# Altium PCB sim800.PcbDoc
Units mm, origin at the board's own origin, x right, y up, seen from the top; angles counter-clockwise.
Board outline 40 x 35.56 mm, 2 copper layers (Top Layer, Bottom Layer), stack 1.569 mm thick; 28 components, 28 nets, 144 pads, 102 vias.
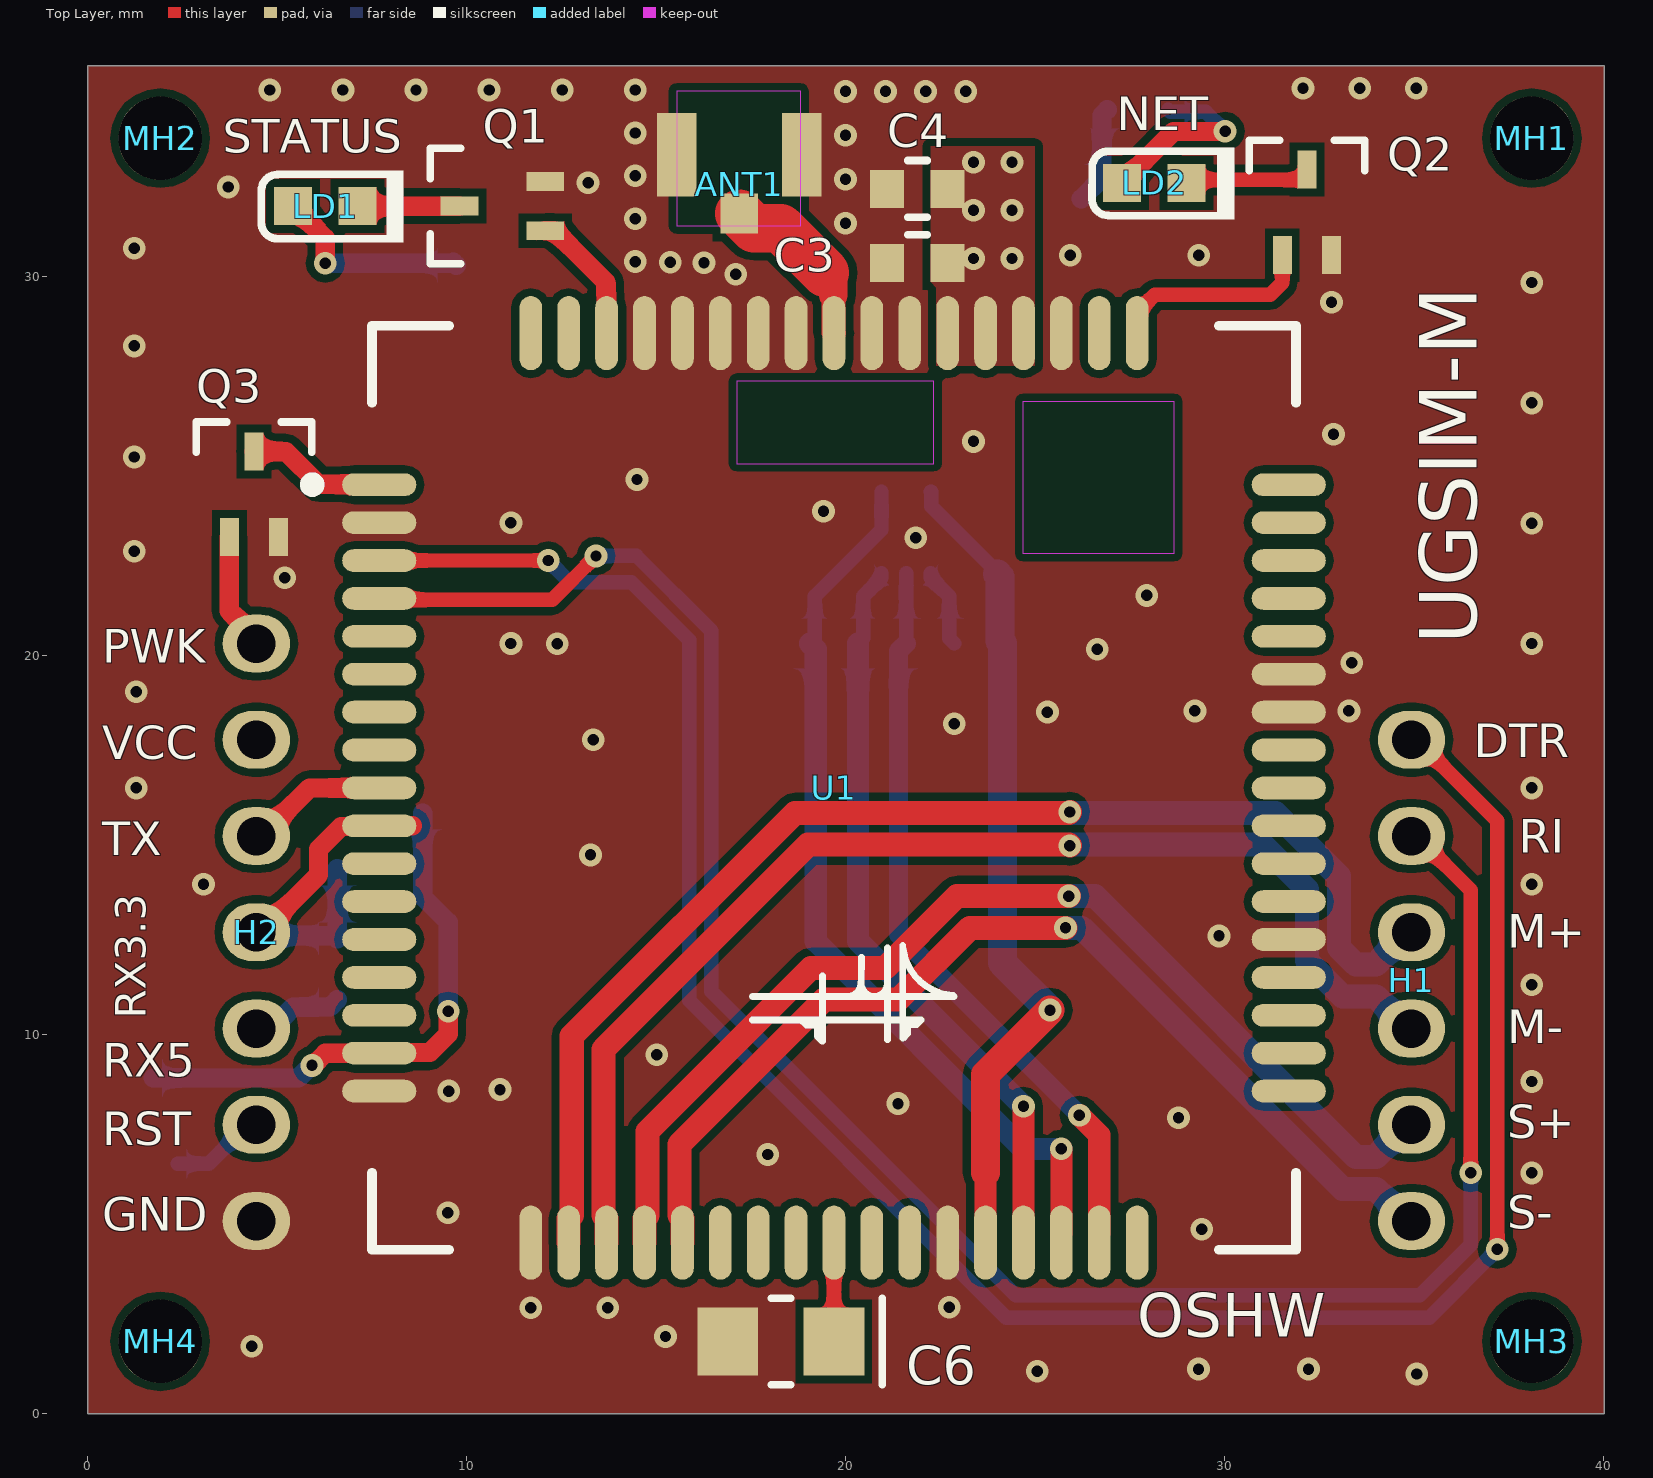
[diagram p0: Top Layer view]
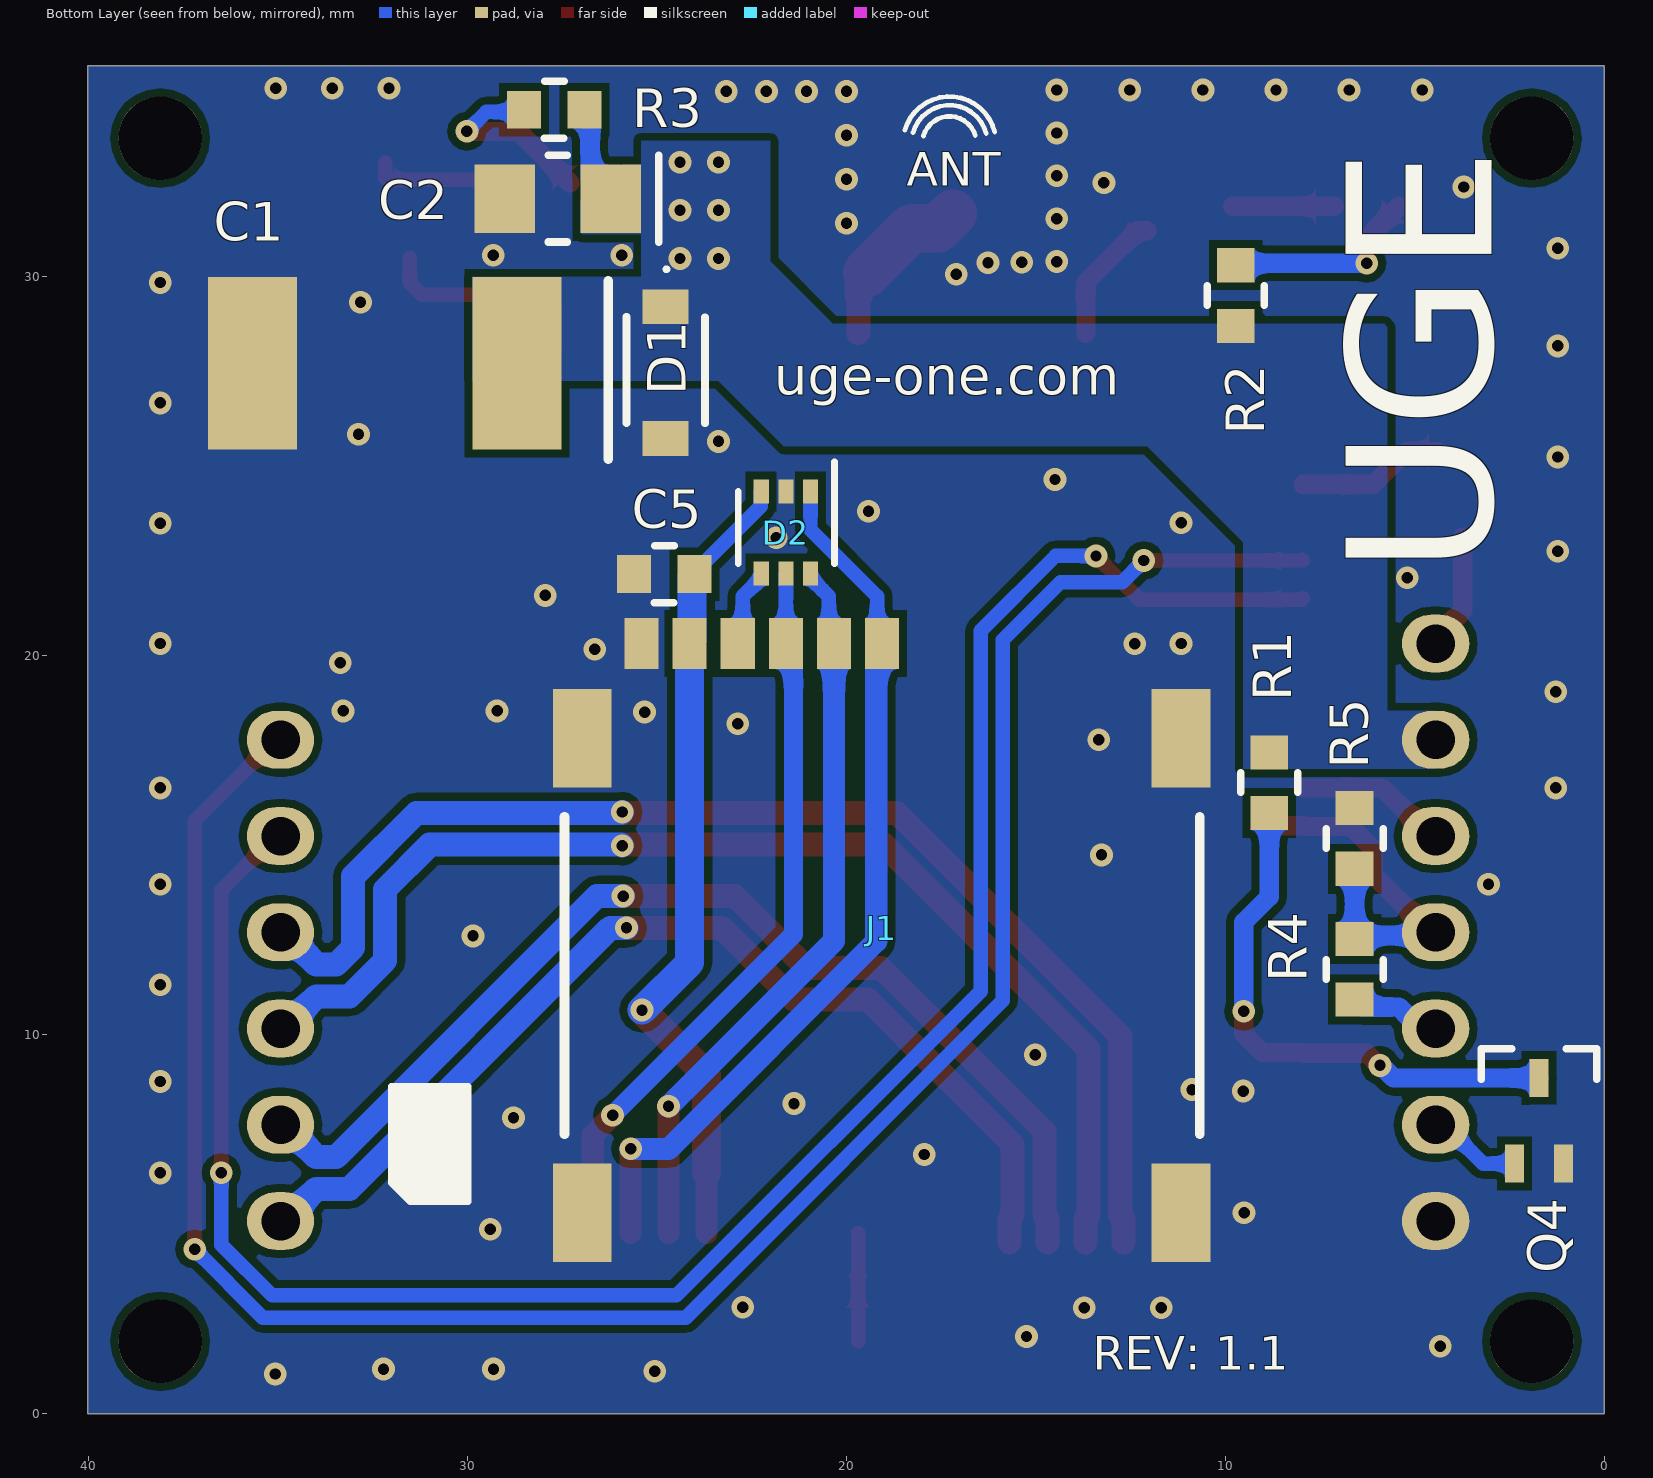
[diagram p1: Bottom Layer view, seen from below]
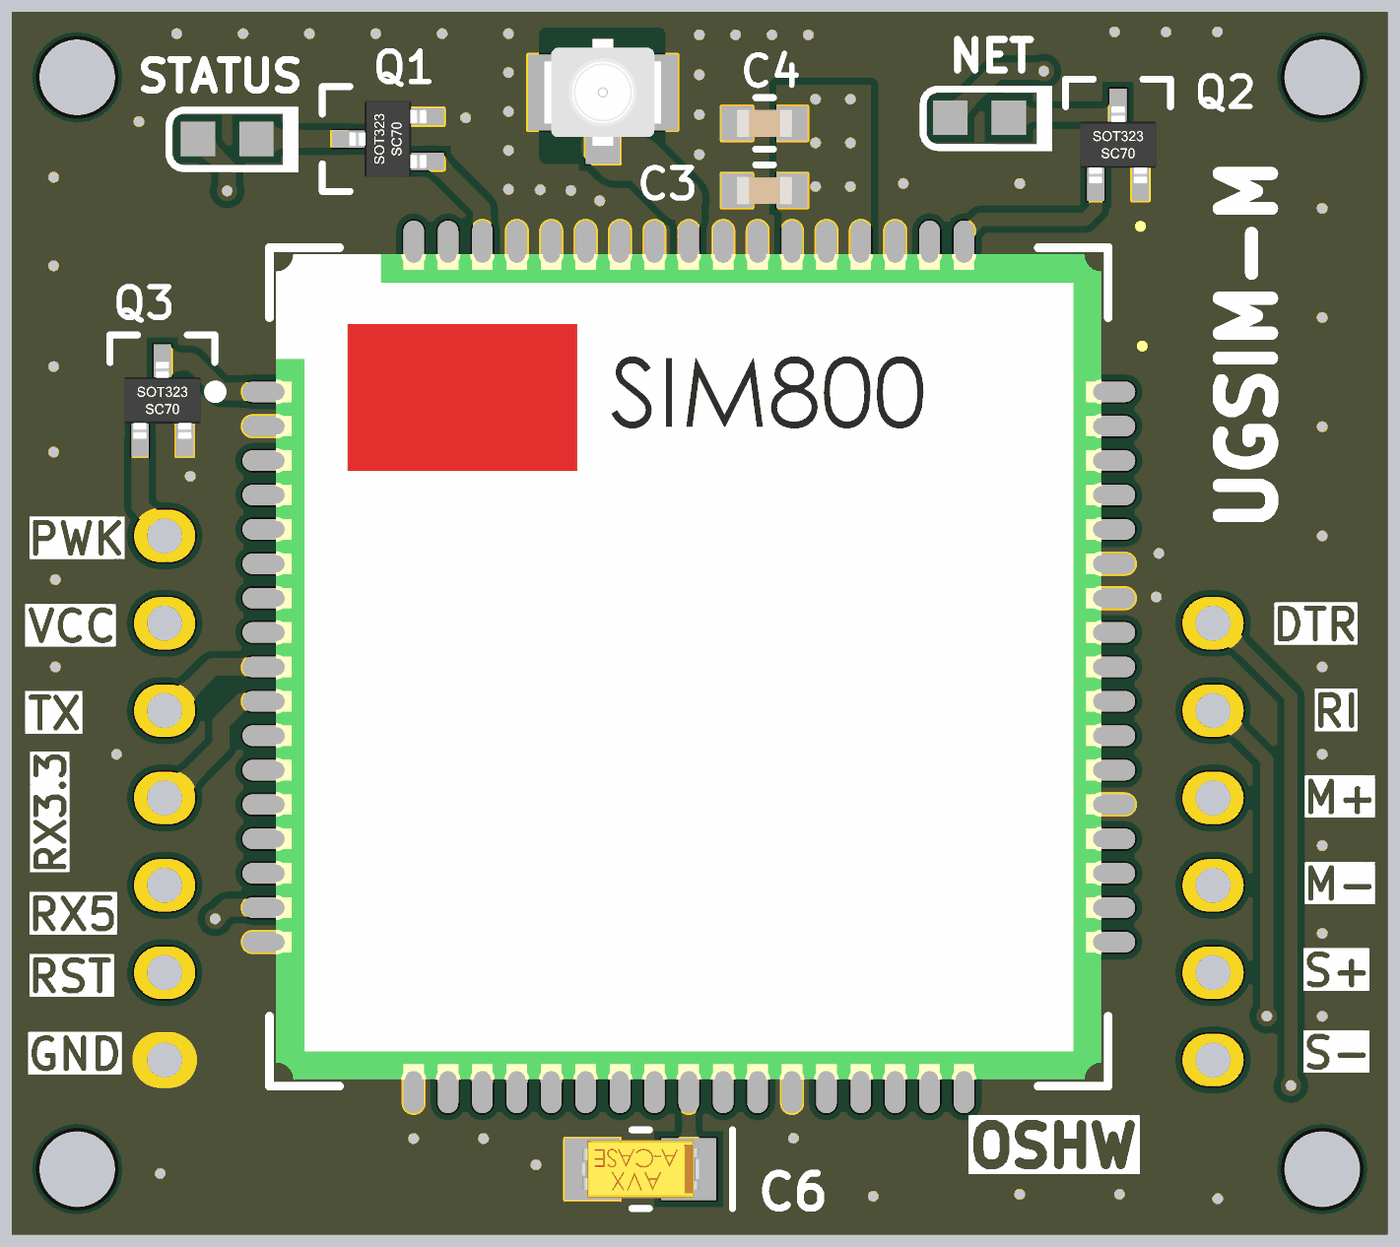
[diagram p2: 3D render of the assembled board from above, using the file's embedded part models]
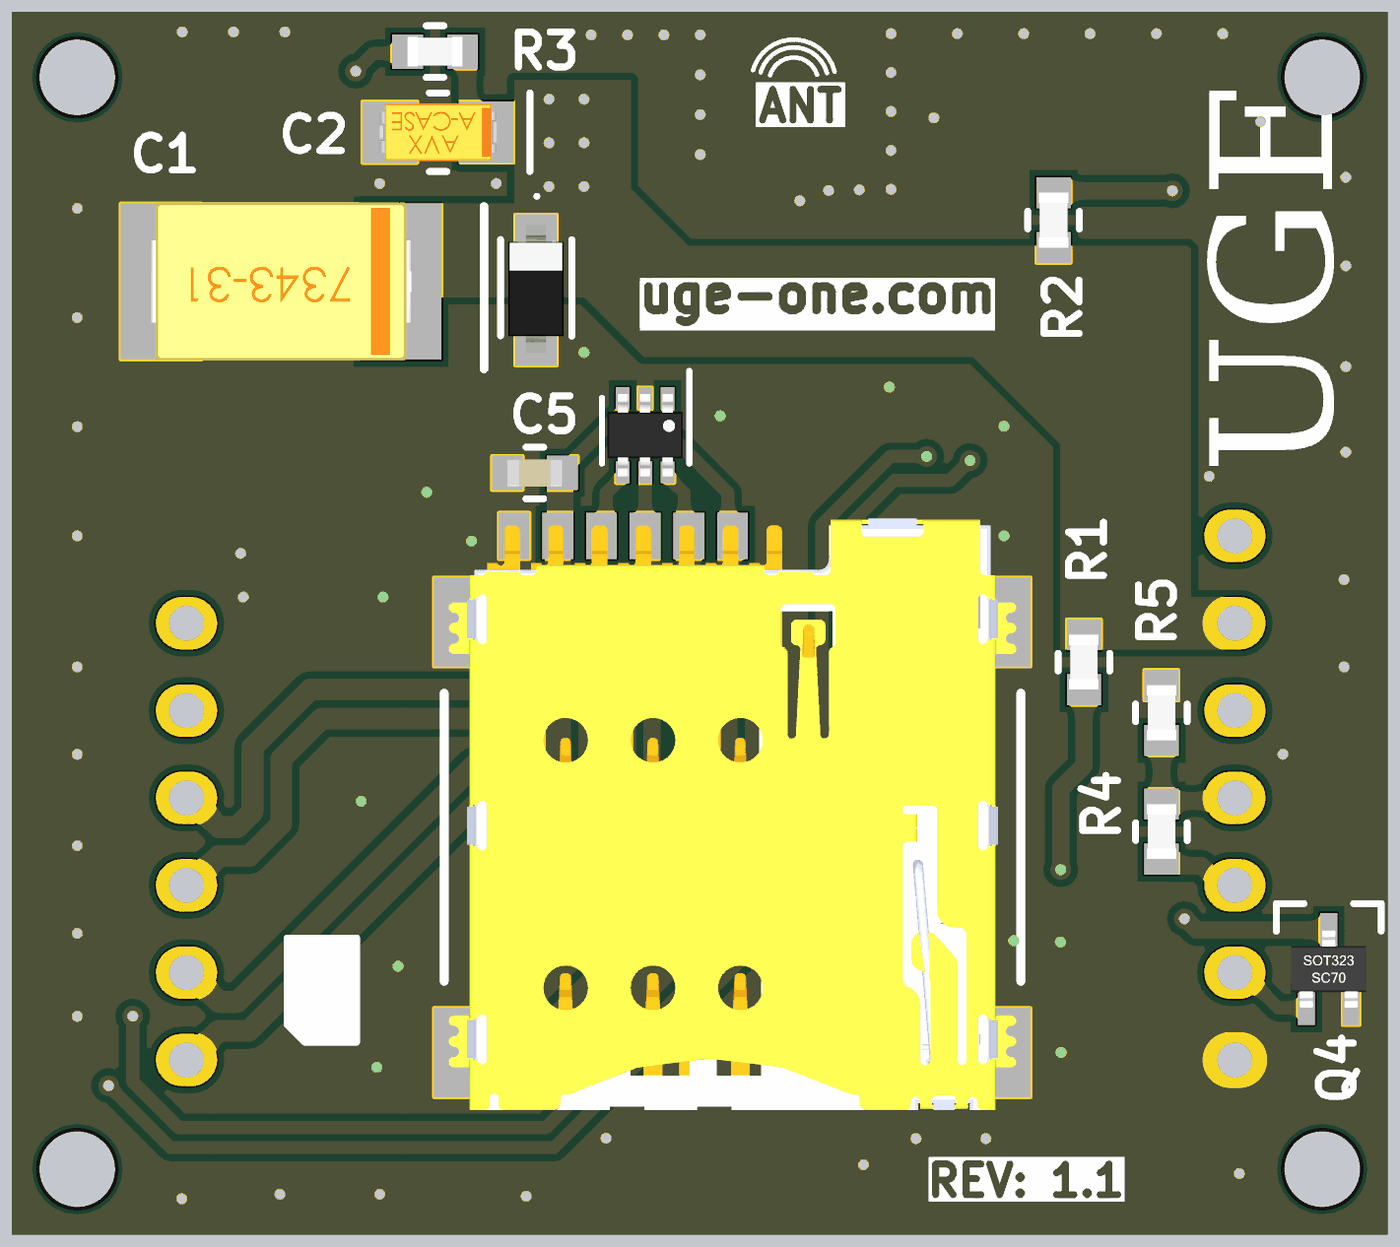
[diagram p3: 3D render of the assembled board from below, using the file's embedded part models]

## Layer stack, top to bottom
Top Solder: solder mask 0.0254, SM-001, Dk 4
Top Layer: signal copper 0.035
Dielectric 1: core 1.4986, Core-043, Dk 4.3
Bottom Layer: signal copper 0.035
Bottom Solder: solder mask 0.0254, SM-001, Dk 4

## Board outline
0,0 0,35.56 40.005,35.56 40.005,0

## Design rules (kind name [scope] priority, off if disabled: settings)
Clearance [All] p1: gap=0.203 ignorepadtopadclearanceinfootprint=FALSE
DiffPairsRouting [All] p1: maxlimit=0.254 minlimit=0.203 mostfreqgap=0.203 toplayer_minwidth=0.152 toplayer_maxwidth=0.762 toplayer_prefwidth=0.635 bottomlayer_minwidth=0.152 bottomlayer_maxwidth=0.762 bottomlayer_prefwidth=0.635 maxuncoupledlength=12.7
MinimumSolderMaskSliver [All] p1: minsoldermaskwidth=0.089
PlaneConnect [All] p1: pad.planeconnectstyle=Relief pad.reliefexpansion=0.508 pad.reliefentries=4 pad.reliefconductorwidth=0.254 pad.reliefairgap=0.254 via.planeconnectstyle=Direct via.reliefexpansion=0.508 via.reliefentries=4 via.reliefconductorwidth=0.254 via.reliefairgap=0.254
PolygonConnect PolygonConnect_1 [All] p1: connectstyle=Direct reliefconductorwidth=0.254 reliefentries=4 polygonreliefangle="90 Angle" airgapwidth=0.254
PolygonConnect GNDolygonConnect [InNet('GND') vs InNet('GND')] p2: thpad.connectstyle=Relief thpad.reliefconductorwidth=0.3 thpad.reliefentries=4 thpad.polygonreliefangle="90 Angle" thpad.airgapwidth=0.254 smdpad.connectstyle=Relief smdpad.reliefconductorwidth=0.35 smdpad.reliefentries=4 smdpad.polygonreliefangle="90 Angle" smdpad.airgapwidth=0.254 via.connectstyle=Direct via.reliefconductorwidth=0.254 via.reliefentries=4 via.polygonreliefangle="90 Angle" via.airgapwidth=0.254
RoutingVias [All] p1: holewidth=0.3 width=0.6 viastyle="Through Hole" minholewidth=0.3 minwidth=0.6 maxholewidth=0.3 maxwidth=0.6
SilkToSilkClearance [All] p1: silktosilkclearance=0
SilkToSolderMaskClearance [IsPad] p1: minsilkscreentomaskgap=0.152 clearancetoexposedcopper=TRUE
SolderMaskExpansion [All] p1: expansion=0.051
Width [All] p1: maxlimit=1.27 minlimit=0.152 preferedwidth=0.762 minimp=50.000000 maximp=50.000000 favimp=50.000000
25 further rules are at their usual default settings.

## Classes and differential pairs
differential pair SPK: +SPK_P -SPK_N
differential pair MIC: +MIC_P -MIC_N

## Components (designator, comment, footprint, x,y, rotation, side; value= is the part's Value field where it differs from the comment)
ANT1 "CONUFL001" UFL 17.185,33.216 r0 top locked
C1 "100uF" "TANAT CASE D" 32.176,27.718 r0 bottom
C2 "1uF" C1206 26.21,32.058 r180 bottom
C3 "10Pf" 0603CAP 21.085,30.362 r0 top
C4 "33pF" 0603CAP 21.085,32.316 r0 top
C5 "0.1uF" 0603CAP 23.996,22.15 r0 bottom
C6 "4.7uF" C1206 19.685,1.905 r0 top
D1 "MMSZ5231BT1G" SOD-123 24.765,29.21 r90 bottom
D2 "SMF12CT1G" SOT-363 20.94,24.329 r270 bottom
H1 "Heder 6X1" HEADER6X1 34.925,12.7 r0 top
H2 "Heder 7X1" "HEADER 7X1" 4.445,15.24 r0 top locked
J1 "SMC-202-6" "MICRO SIM CONNECTOR" 20.32,20.32 r180 bottom
LD1 "Green" 0603D-G 5.412,31.862 r180 top
LD2 "Yellow" 0603D-Y 27.285,32.475 r180 top
MH1 "Mounting Hole M2" M2HOLE 38.1,33.655 r0 top
MH2 "Mounting Hole M2" M2HOLE 1.905,33.655 r0 top
MH3 "Mounting Hole M2" M2HOLE 38.1,1.905 r0 top
MH4 "Mounting Hole M2" M2HOLE 1.905,1.905 r0 top
Q1 "DTC143ZU3HZGT106" "SOT 323" 10.873,31.862 r90 top
Q2 "DTC143ZU3HZGT106" "SOT 323" 32.165,31.76 r0 top
Q3 "DTC143ZU3HZGT106" "SOT 323" 4.38,24.323 r0 top
Q4 "DTC143ZU3HZGT106" "SOT 323" 1.715,7.788 r180 bottom
R1 "10kohms" 0603R 8.832,15.848 r90 bottom
R2 "75 Ohm" 0603R 9.716,28.703 r90 bottom
R3 "75 Ohm" 0603R 26.899,34.405 r0 bottom
R4 "10kOhm" 0603R 6.58,12.522 r270 bottom
R5 "20kOhm" 0603R 6.58,15.976 r270 bottom
U1 "SIM800" SIMCOM_SIM800 19.685,16.51 r0 top locked

## Footprints (in the part's own frame and the unit in brackets; to place one, negate y for a bottom-side part, rotate by r counter-clockwise, add the part's x,y. Pads: shape width x height; smd on the part's side, far side on the other; paste and mask are expansions set on the pad)
0603CAP [mm] "Chip Capacitor, Body 1.6x0.8mm, Height 1.0mm, IPC Medium Density"
  rect 0.9x1 smd: 1(0,0) 2(1.6,0)
  silkscreen extent 0.55,0.75 1.06,0.75, body extent 0,-0.4 1.6,0.4, height 0.77
0603D-G [mm] "LED, SMT, Body 1.6 x 0.8 mm, 0.25mm Thickness"
  rect 1x1 smd paste+0 mask+0: 1(0,0) 2(-1.7,0)
  silkscreen extent -2.92,-0.94 0.84,0.97, body extent -1.44,-0.4 -0.24,0.4, height 0.25
0603D-Y [mm] "LED, SMT, Body 1.6 x 0.8 mm, 0.25mm Thickness"
  rect 1x1 smd paste+0 mask+0: 1(0,0) 2(-1.7,0)
  silkscreen extent -2.97,-0.94 0.79,0.97, body extent -1.51,-0.4 -0.31,0.4, height 0.25
0603R [mm] "Chip Resistor, Body 1.6x0.8mm, IPC Medium Density"
  rect 0.9x1 smd: 1(0,0) 2(1.6,0)
  silkscreen extent 0.54,-0.75 1.06,0.75, body extent 0,-0.43 1.6,0.43, height 0.49
C1206 [mm] "Cap 1206 tantalum"
  rect 1.6x1.8 smd: 1(0,0) 2(-2.8,0)
  silkscreen extent -1.65,-1.14 1.27,1.14, body extent -3.1,-0.84 0.3,0.84, height 1.71
HEADER6X1 [mil]
  oval 70x60 hole 40 mask+2: 1(0,200) 2(0,100) 3(0,0) 4(0,-100) 5(0,-200) 6(0,-300)
"HEADER 7X1" [mil]
  oval 70x60 hole 40 mask+2: 1(0,200) 2(0,100) 3(0,0) 4(0,-100) 5(0,-200) 6(0,-300) 7(0,-400)
M2HOLE [mm]
  round 2.2 hole 2.2 unplated mask+0.102: 0(0,0)
"MICRO SIM CONNECTOR" [mm]
  rect 0.9x1.35 smd: 1(-3.81,0) 2(-1.27,0) 3(1.27,0) 4(-5.08,0) 5(-2.54,0) 6(0,0)
  rect 1.55x2.6 smd: 7(-6.64,-2.505) 8(9.16,-2.505) 9(9.16,-15.025) 10(-6.64,-15.025)
  silkscreen extent -7.11,-12.95 9.65,-4.57, body extent -6.98,-16.7 9.52,0.51, height 1.39
SIMCOM_SIM800 [mm]
  oval 1.956x0.6 smd: 1(-12,8) 2(-12,7) 3(-12,6) 4(-12,5) 5(-12,4) 6(-12,3) 7(-12,2) 8(-12,1) 9(-12,0) 10(-12,-1) 11(-12,-2) 12(-12,-3) 13(-12,-4) 14(-12,-5) 15(-12,-6) 16(-12,-7) 17(-12,-8) 35(12,-8) 36(12,-7) 37(12,-6) 38(12,-5) 39(12,-4) 40(12,-3) 41(12,-2) 42(12,-1) 43(12,0) 44(12,1) 45(12,2) 46(12,3) 47(12,4) 48(12,5) 49(12,6) 50(12,7) 51(12,8)
  oval 0.6x1.956 smd: 18(-8,-12) 19(-7,-12) 20(-6,-12) 21(-5,-12) 22(-4,-12) 23(-3,-12) 24(-2,-12) 25(-1,-12) 26(0,-12) 27(1,-12) 28(2,-12) 29(3,-12) 30(4,-12) 31(5,-12) 32(6,-12) 33(7,-12) 34(8,-12) 52(8,12) 53(7,12) 54(6,12) 55(5,12) 56(4,12) 57(3,12) 58(2,12) 59(1,12) 60(0,12) 61(-1,12) 62(-2,12) 63(-3,12) 64(-4,12) 65(-5,12) 66(-6,12) 67(-7,12) 68(-8,12)
  silkscreen extent -13.93,-12.19 12.19,12.19, body extent -12,-12 12,12, height 3
SOD-123 [mil] "Diode"
  rect 36x48 smd: 1(0,0) 2(-137,0)
  silkscreen extent -121,-41 41,41, body extent -140,-31 6,31, height 50
"SOT 323" [mm]
  rect 0.5x1 smd: 1(0.65,-1.192) 2(-0.65,-1.192) 3(0,1.067)
  silkscreen extent -1.52,1.04 1.52,1.84, body extent -1.1,-1.19 1.1,1.06, height 1.1
SOT-363 [mm]
  rect 0.635x0.4 smd: 1(0,0) 2(0,-0.65) 3(0,-1.3) 4(2.159,-1.3) 5(2.159,-0.65) 6(2.159,0)
  silkscreen extent -0.79,-1.91 1.91,0.64, body extent -0.12,-1.75 2.28,0.45, height 1.1
"TANAT CASE D" [mm]
  rect 2.35x4.55 smd: 1(-3.487,0) 2(3.488,0)
  silkscreen extent -5.9,-2.17 -5.9,2.54, body extent -3.8,-2.3 3.8,2.3, height 3.1
UFL [mm]
  rect 1x1.05 smd: 1(0,-1.55)
  rect 1.05x2.2 smd: 2(-1.651,0) 3(1.651,0)
  body extent -1.7,-1.55 1.7,1.55, height 1.25

## Part data
ANT1: library part CONUFL001-SMD-T, "CONN UMC JACK STR SMD", Manufacturer=Linx, Supplier Part Number 1=712-CONUFL001-SMD-T, ComponentLink1Description=https://media.digikey.com/pdf/Data%20Sheets/Linx%20Technologies%20PDFs/CONUFL001-SMD_T_Dwg_RevB_5-15-17.pdf?src-supplier=Digi-Key, ComponentLink1URL=https://media.digikey.com/pdf/Data%20Sheets/Linx%20Technologies%20PDFs/CONUFL001-SMD_T_Dwg_RevB_5-15-17.pdf?src-supplier=Digi-Key, Manufacturer Part Number=CONUFL001-SMD-T, Pricing 1="1 = 0.62000, 10 = 0.59000, 50 = 0.57000, 100 = 0.53000, 1000 = 0.44000, 10000 = 0.37800 (USD)", RoHS=No, Stock 1=8451, Supplier 1=Mouser
C1: library part "Cap 100uF Tant", Manufacturer="Kyocera AVX", Manufacturer Part Number=TAJA105K035TNJ, Tolerance=20%, Voltage Rating (DC)=25V, Capacitance=100uF, ComponentLink1Description=http://datasheets.avx.com/TAJ_AUTO.pdf?src-supplier=Digi-Key, ComponentLink1URL=http://datasheets.avx.com/TAJ_AUTO.pdf?src-supplier=Digi-Key, Lead Free="Lead Free", Pricing 1="1 = 0.43000, 10 = 0.29700, 50 = 0.29700, 100 = 0.13400, 1000 = 0.11300, 2000 = 0.09300, 10000 = 0.09300 (USD)", Pricing 2="1 = 3.18000, 10 = 2.57000, 50 = 2.57000, 100 = 1.96000, 250 = 1.59000, 500 = 1.46000, 1000 = 1.28000, 1500 = 1.10000, 4500 = 1.06000, 9000 = 1.05000, 10000 = 1.06000 (USD)", RoHS=No, Stock 1=22047, Stock 2=1935
C2: library part "Cap 1uF Tant 1206", "1µF Molded Tantalum Capacitors 35V 1206 (3216 Metric) 7.5Ohm @ 100kHz", Manufacturer="Kyocera AVX", Manufacturer Part Number=TAJA105K035TNJ, Supplier Part Number 1=581-TAJA105K035TNJ, ComponentLink1Description=http://datasheets.avx.com/TAJ_AUTO.pdf?src-supplier=Digi-Key, ComponentLink1URL=http://datasheets.avx.com/TAJ_AUTO.pdf?src-supplier=Digi-Key, Pricing 1="1 = 0.43000, 10 = 0.29700, 50 = 0.29700, 100 = 0.13400, 1000 = 0.11300, 2000 = 0.09300, 10000 = 0.09300 (USD)", RoHS=No, Stock 1=22047, Supplier 1=Mouser
C3: library part "Cap 10pf 0603", "Multilayer Ceramic Capacitors MLCC - SMD/SMT 16V 10pF 0603 X7R 0.1", Manufacturer=KEMET, Manufacturer Part Number=C0603C100K4RACTU, Supplier Part Number 1=80-C0603C100K4RACTU, Pricing 1="1 = 0.24000, 10 = 0.12500, 50 = 0.12500, 100 = 0.07600, 1000 = 0.05900, 10000 = 0.04200 (USD)", RoHS=No, Stock 1=14682, Supplier 1=Mouser
C4: library part "Cap 33pF 0603", "Multilayer Ceramic Capacitors MLCC - SMD/SMT 50V 33pF 0603 X8R 20%", Manufacturer=KEMET, Manufacturer Part Number=C0603C330M5HACTU, Supplier Part Number 1=80-C0603C330M5HACTU, Pricing 1="1 = 0.10000, 10 = 0.01700, 50 = 0.01700, 100 = 0.01200, 1000 = 0.00800, 10000 = 0.00600 (USD)", RoHS=No, Stock 1=39000, Supplier 1=Mouser
C5: library part "Cap 0.1uF 50V 0603 X7R", "Cap Ceramic 0.1uF 50V X7R 5% SMD 0603 125C Paper T/R. CC0603JPX7R9BB104", Capacitance=100nF, Case/Package=0603, Dielectric=X7R, Manufacturer=Yageo, Manufacturer Part Number=CC0603JPX7R9BB104, Max Operating Temperature=125°C, Min Operating Temperature=-55°C, Supplier Part Number 1=603-CC0603JPX79BB104, Tolerance=5%, ComponentLink1Description=http://components.arrow.com/part/dataview/0323_02951817?src-supplier=Arrow+Europe, ComponentLink1URL=http://components.arrow.com/part/dataview/0323_02951817?src-supplier=Arrow+Europe, Depth=0.8mm, Length=1.6mm, Packaging="Tape and Reel", Pricing 1="1 = 0.13000, 10 = 0.06800, 50 = 0.06800, 100 = 0.03100, 1000 = 0.02500, 2500 = 0.01900, 10000 = 0.01800, 15000 = 0.01700, 45000 = 0.01600, 90000 = 0.01300 (USD)", RoHS=Yes, Stock 1=581901, Supplier 1=Mouser
C6: library part "Cap 4.7uF tantalum", "CAP TANT 4.7UF 10% 16V 1206,TAJA475K016RNJ", Case/Package=1206, Case Code (Metric)=3216, Dielectric Material=Tantalum, ESR (Equivalent Series Resistance)=4R, Leakage Current=800nA, Manufacturer="Kyocera AVX", Manufacturer Part Number=TAJA475K016RNJ, Max Operating Temperature=125°C, Min Operating Temperature=-55°C, Package Quantity=1, Supplier Part Number 1=581-TAJA475K016R, Tolerance=10%, Voltage=16V, Capacitance=4.7uF, Case Code (Imperial)=1206, ComponentLink1Description=https://datasheet.ciiva.com/26341/559419-da-01-en-tacc-a-3-2-mm-x-1-6-mm-x-1-6-mm-4-7-uf-26341760.pdf?src-supplier=Conrad, ComponentLink1URL=https://datasheet.ciiva.com/26341/559419-da-01-en-tacc-a-3-2-mm-x-1-6-mm-x-1-6-mm-4-7-uf-26341760.pdf?src-supplier=Conrad, ComponentLink2Description=https://datasheet.ciiva.com/263/taj-263377.pdf?src-supplier=Digi-Key, ComponentLink2URL=https://datasheet.ciiva.com/263/taj-263377.pdf?src-supplier=Digi-Key, ComponentLink3Description=https://datasheet.ciiva.com/263/taj-263378.pdf?src-supplier=Digi-Key, ComponentLink3URL=https://datasheet.ciiva.com/263/taj-263378.pdf?src-supplier=Digi-Key, ComponentLink4Description=https://datasheet.ciiva.com/14604/70001050-14604501.pdf?src-supplier=Allied+Electronics, ComponentLink4URL=https://datasheet.ciiva.com/14604/70001050-14604501.pdf?src-supplier=Allied+Electronics, ComponentLink5Description=https://datasheet.ciiva.com/18710/taj-eng-18710646.pdf?src-supplier=Distrelec, ComponentLink5URL=https://datasheet.ciiva.com/18710/taj-eng-18710646.pdf?src-supplier=Distrelec, ComponentLink6Description=https://datasheet.ciiva.com/3004/taj-3004411.pdf?src-supplier=Avnet, ComponentLink6URL=https://datasheet.ciiva.com/3004/taj-3004411.pdf?src-supplier=Avnet, ComponentLink7Description=https://datasheet.ciiva.com/3004/taj-3004412.pdf?src-supplier=Avnet, ComponentLink7URL=https://datasheet.ciiva.com/3004/taj-3004412.pdf?src-supplier=Avnet, ComponentLink8Description=https://datasheet.ciiva.com/7914/taj-7914556.pdf?src-supplier=Element14, ComponentLink8URL=https://datasheet.ciiva.com/7914/taj-7914556.pdf?src-supplier=Element14, ComponentLink9Description=https://datasheet.ciiva.com/5934/13070-5934925.pdf?src-supplier=Farnell, ComponentLink9URL=https://datasheet.ciiva.com/5934/13070-5934925.pdf?src-supplier=Farnell, ComponentLink10Description=https://datasheet.ciiva.com/16199/taj-16199151.pdf?src-supplier=Future+Electronics, ComponentLink10URL=https://datasheet.ciiva.com/16199/taj-16199151.pdf?src-supplier=Future+Electronics, ComponentLink11Description=https://datasheet.ciiva.com/263/taj-263376.pdf?src-supplier=Digi-Key, ComponentLink11URL=https://datasheet.ciiva.com/263/taj-263376.pdf?src-supplier=Digi-Key, ComponentLink12Description=https://datasheet.ciiva.com/12883/taj-27497-12883126.pdf?src-supplier=Mouser, ComponentLink12URL=https://datasheet.ciiva.com/12883/taj-27497-12883126.pdf?src-supplier=Mouser, ComponentLink13Description=https://datasheet.ciiva.com/14608/70001050-14608696.pdf?src-supplier=Allied+Electronics, ComponentLink13URL=https://datasheet.ciiva.com/14608/70001050-14608696.pdf?src-supplier=Allied+Electronics, ComponentLink14Description=https://datasheet.ciiva.com/7914/1680476-7914555.pdf?src-supplier=Element14, ComponentLink14URL=https://datasheet.ciiva.com/7914/1680476-7914555.pdf?src-supplier=Element14, Depth=1.6mm, Dissipation Factor=6%, Features="General Purpose", Height=1.6mm, Height - Seated (Max)=0.071inch, Lead Free="Lead Free", Lead Pitch=1.1mm, Length=3.2mm, Mount="Surface Mount", Number of Pins=2, Packaging="Tape and Reel", Polarity=Polar, Pricing 1="1 = 0.41000, 10 = 0.28200, 100 = 0.16910, 500 = 0.12678, 1000 = 0.10707 (USD)", Radiation Hardening=No, REACH SVHC="No SVHC", RoHS=Yes, Stock 1=424346, Supplier 1=Mouser, Termination=SMD/SMT, Voltage Rating=16V, Voltage Rating (DC)=16V, Width=1.6mm